# KiCad board SONATA-ONE.kicad_pcb (continued)
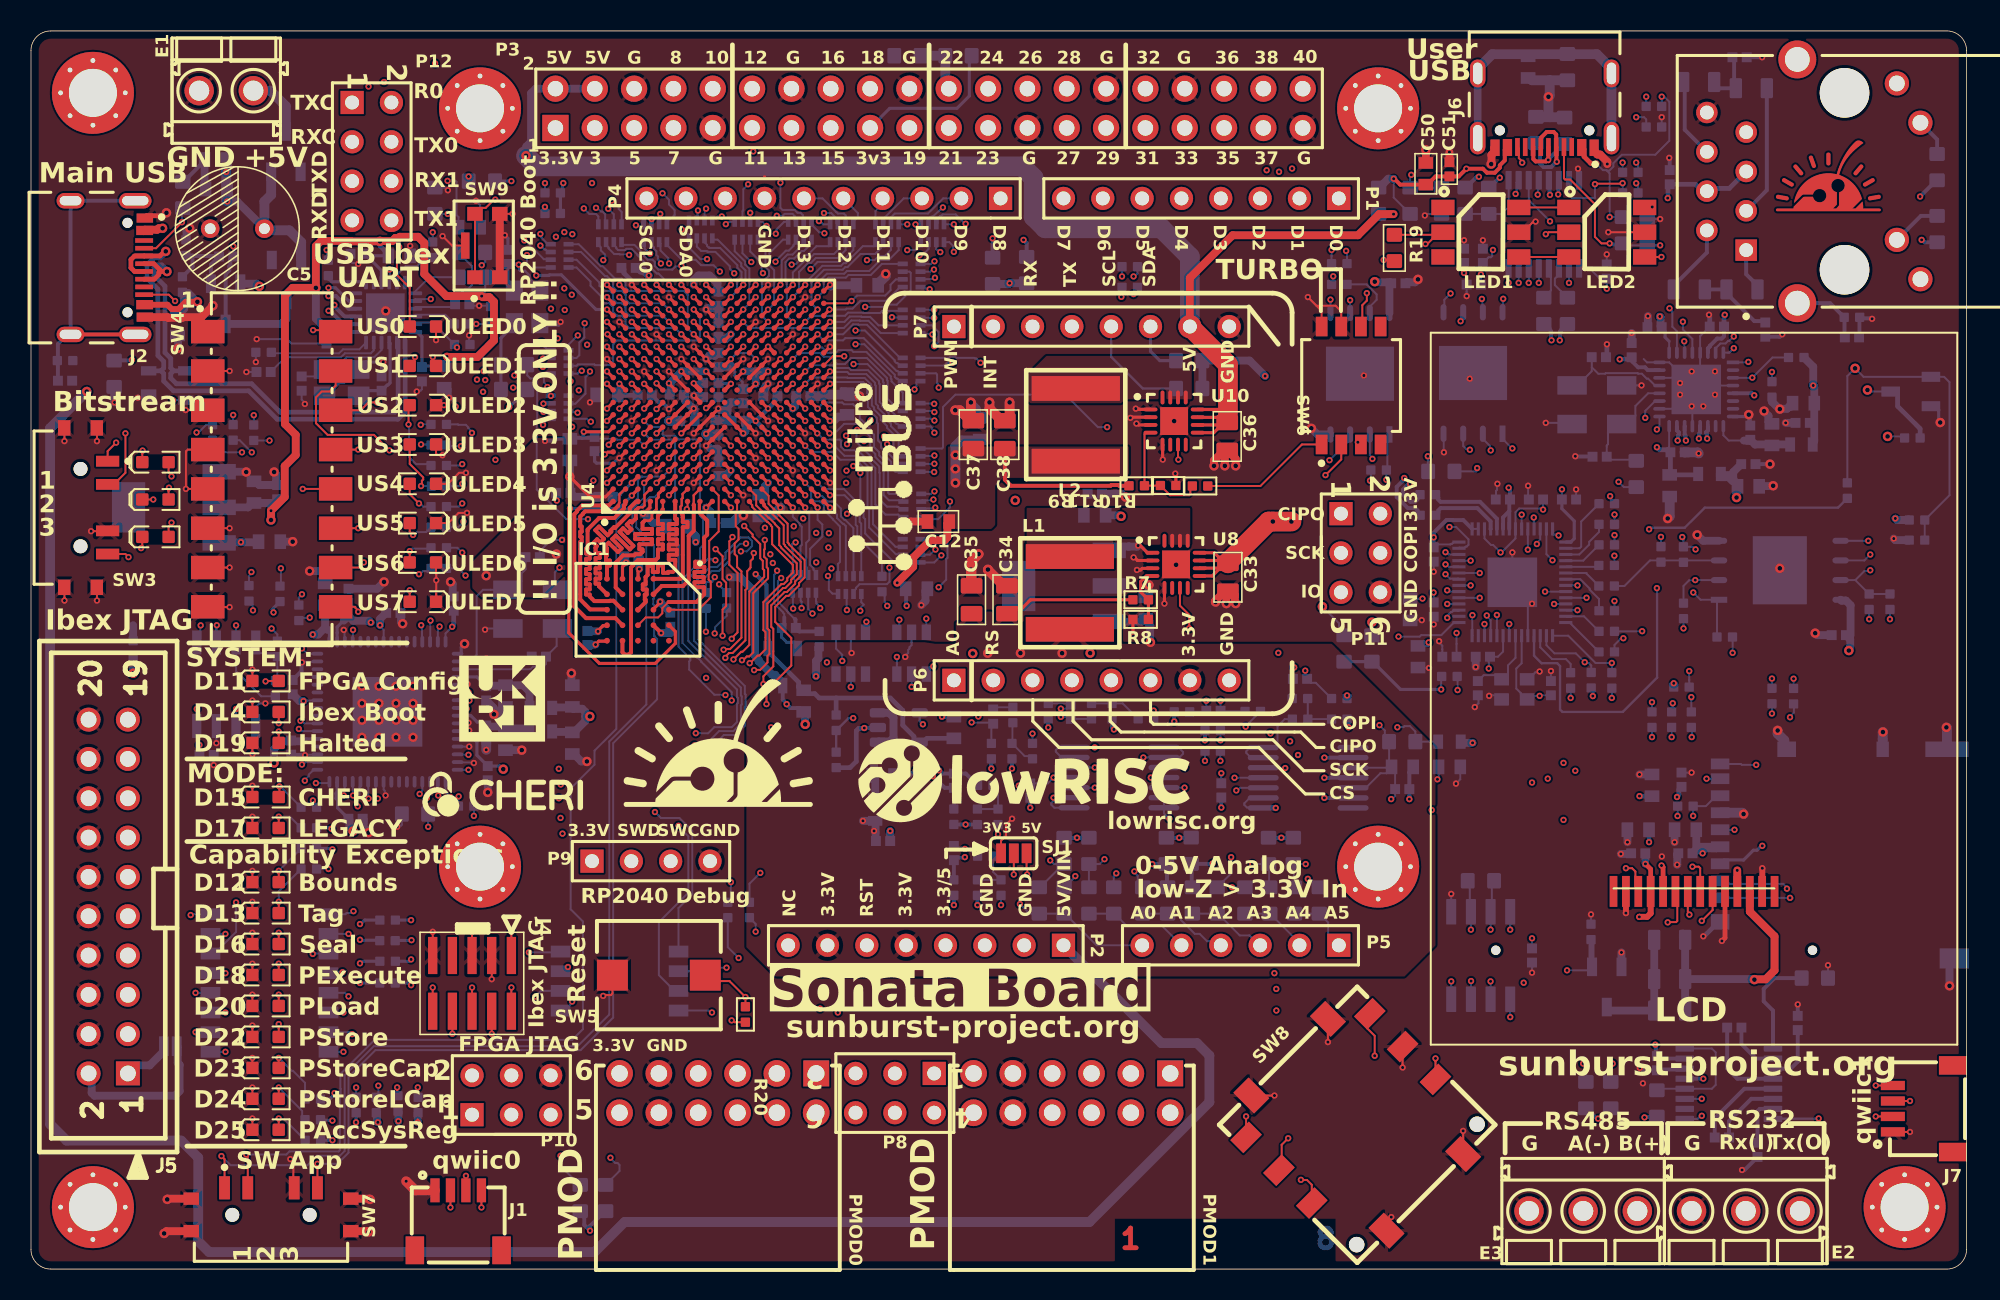
[diagram p0: board, top side]
## Placement (name value [footprint] x y rotation side) (continued)
R171  22R  [RESC1005X40N]  54.96 44.26 270 bottom
R172  33R  [741C083]  34.72 56.44 270 bottom
R173  33R  [741C083]  34.72 59.37 270 bottom
R174  33R  [741C083]  34.72 66.22 270 bottom
R175  33R  [741C083]  44 66.6 180 bottom
R176  33R  [741C083]  41.07 66.35 180 bottom
R177  33R  [741C083]  46.95 66.52 180 bottom
R178  33R  [741C083]  49.19 44.85 0 bottom
R179  33R  [741C083]  56.3 63.45 90 bottom
R180  33R  [741C083]  52.12 44.77 0 bottom
R181  33R  [741C083]  56.3 57.38 90 bottom
R182  33R  [741C083]  50.4 66.52 180 bottom
R183  33R  [741C083]  56.3 60.48 90 bottom
R184  33R  [741C083]  56.3 45.66 90 bottom
R185  33R  [741C083]  56.3 51.52 90 bottom
R186  22R  [RESC1005X40N]  45 23.2 270 bottom
R187  22R  [RESC1005X40N]  46.4 23.2 270 bottom
R188  33R  [741C083]  56.3 54.45 90 bottom
R189  33R  [741C083]  58.96 66.35 180 bottom
R190  33R  [741C083]  56.04 66.35 180 bottom
R191  33R  [741C083]  53.11 66.35 180 bottom
R192  1k  [RESC1005X40N]  121.5 53.7 0 bottom
R193  DNM  [RESC1005X40N]  121.8 48.4 0 bottom
R194  33R  [741C083]  38.14 66.35 180 bottom
R195  0R  [RESC1005X40N]  50.9 40.7 90 bottom
R196  49R9  [RESC2012X70N]  110.5 63.3 0 bottom
R197  49R9  [RESC2012X70N]  107.1 63.3 180 bottom
R198  49R9  [RESC2012X70N]  111.1 76.3 0 bottom
R199  10k  [RESC1005X40N]  15.91 40.07 270 bottom
R200  1k  [RESC1005X40N]  11.73 54.06 90 bottom
R201  1k  [RESC1005X40N]  13.06 54.06 90 bottom
R202  1k  [RESC1005X40N]  14.39 54.04 90 bottom
R203  DNM  [RESC1005X40N]  6.6 40.1 90 bottom
R204  49R9  [RESC2012X70N]  107.7 76.7 180 bottom
R205  10k  [RESC1005X40N]  121.8 47.1 180 bottom
R206  1k8  [RESC1608X55N]  62.1 64.5 270 bottom
R207  1k8  [RESC1608X55N]  64.3 64.55 270 bottom
R208  DNM RCHIP  [RESC1608X55N]  74.8 56.9 180 bottom
R209  DNM RCHIP  [RESC1608X55N]  74.8 58.7 180 bottom
R210  1k  [RESC1005X40N]  117.3 50.3 270 bottom
R211  10k  [RESC1005X40N]  114 58.9 180 bottom
R212  12k  [RESC1608X55N]  59.9 78.4 0 bottom
R213  DNM RCHIP  [RESC1608X55N]  56.6 78.4 0 bottom
REF**  -  [CE-Logo_8.5x6mm_SilkScreen]  67.9 54.7 180 bottom
REF**#2  -  [WEEE-Logo_4.2x6mm_SilkScreen]  96.6 12.2 180 bottom
SD1  DM3AT-SF-PEJM5  [FP-DM3AT-SF-PEJM5-MFG]  117.06 26.76 270 bottom
SJ1  NC  [SJ_3S_NC12]  63.47 26.86 0 top
SJ2  NO  [SJ_2S_NO]  9 14.4 0 bottom
SW1  218-4LPSTR  [FP-218-4LPSTR-MFG]  38.01 18.61 180 bottom
SW2  218-8LPST  [FP-218-8LPST-MFG]  15.4 18.48 180 bottom
SW3  CUS-13TB  [FP-CUS-13TB-MFG]  2.45 49.2 270 top
SW4  1-1825058-9  [FP-1-1825058-9-MFG]  15.55 51.68 0 top
SW5  EVP-ASDC1A  [EVPAS]  40.55 18.99 0 top
SW6  218-4LPSTR  [FP-218-4LPSTR-MFG]  85.25 57.09 90 top
SW7  CUS-13TB  [FP-CUS-13TB-MFG]  15.5 2.75 0 top
SW8  -  [2425755-1]  85.65 9.32 45 top
SW9  KMR211GLFS  [FP-KMR211GLFS-MFG]  29.48 66.13 90 top
U1  PRTR5V0U2AX  [SOT143B]  8.8 57.09 0 bottom
U2  LD1117S33  [SOT-223]  9.23 49.22 180 bottom
U3  ISL83485IBZ-T  [SOIC8_NARROW]  93.63 20.26 90 bottom
U4  XC7A35T-1CSG324C  [CSG324]  44.4 56.4 90 top
U5  FT4232HQ-Tray  [QFN64_2_N]  23.02 36.01 180 bottom
U6  KSZ8851SNLI-TR  [FP-QFN55-32LD-PL-5-IPC_C]  107.54 56.84 180 bottom
U7  MAX3221IPWR  [PW0016A_L]  109.65 11.97 180 bottom
U8  RT8058  [QFN16_50P300X300X100_HS-17M]  73.95 45.53 0 top
U9  LD1117S18  [SOT-223]  66.71 44.14 180 bottom
U10  RT8058  [QFN16_50P300X300X100_HS-17M]  73.83 54.79 0 top
U11  SC0914_7_  [QFN40P700X700X90-57N-D]  95.67 44.37 180 bottom
U12  USB2422-I/MJ  [HVQFN-24-1EP_4x4mm_P0.5mm_EP2.5x2.5mm]  22.89 61.8 0 bottom
U13  TUSB1106PWR  [PW0016A_L]  97.7 67.5 270 bottom
U14  REF3012AIDBZT  [SOT95P237X112-3N]  48.55 38.9 270 bottom
U15  Linear Voltage Regulator IC  1 Output  300mA TSOT-5  [SOT23-5P95_285X145L45X40]  56.04 34.99 90 bottom
U16  AT93C46DN-SH-T  [FP-C04-057-SN-MFG]  12.61 37.79 270 bottom
U17  W25Q256JVEIQ  [WSON68_Micron]  112.94 45.15 0 bottom
U18  W25Q64JVZEIQ  [WSON68_Micron]  93.13 57.9 90 bottom
U19  W25Q256JVEIQ  [WSON68_Micron]  85.83 57.85 90 bottom
U20  ~  [TSSOP-ST14_M]  70.27 31.76 0 bottom
U21  ~  [TSSOP-ST14_M]  82.48 31.74 0 bottom
U22  TVS 824013  [SOT95P280X145-6N]  56.87 39.79 90 bottom
U23  TVS 824013  [SOT95P280X145-6N]  52.94 39.79 90 bottom
X1  ABM8G-24.000MHZ-4Y-T3  [ABM8G]  21.16 56.43 180 bottom
X2  ABM10AIG-12.000MHZ-4Z-T3  [2.5x2mm XTAL]  95.8 37.46 180 bottom
Y1  H130B-12.000-16-2525-EXT-TR  [5x3.2MM XTAL]  32.4 42.64 0 bottom
Y2  ASE-25.000MHZ-LC-T  [FP-ASE-MFG]  32.04 62.17 270 bottom
Y3  H130B-12.000-16-2525-EXT-TR  [5x3.2MM XTAL]  101.13 55.85 180 bottom

## Library data of the parts
C1-C3 C11-C13 C19 C20 C28-C30 C32 C39 C41 C110 C111 C121 = -: Description: 100n, 0402; PART NUMBER: CCHIP-2u2-0603; COMPONENT GROUP: Capacitor; MANUFACTURE PART NUMBER 1: CL10B225KP8NNNC; PIN COUNT: 2; SUPPLIER 1: Digi-Key; SUPPLIER PART NUMBER 1: 1276-1134-2-ND; CASE-EIA: 0603; CASE-METRIC: 1608; RATED VOLTAGE: 10VDC; MOUNTING TECHNOLOGY: SMT; COMPONENT KIND: Standard; COMPONENT TYPE: Standard; MANUFACTURE 1: Samsung; ki_fp_filters: *CAPC0402_M*
C4 C6-C10 C14-C18 C21-C27 C31 C40 C43 C44 C46 C48 C49 C51 C53-C56 C60-C68 C71 C74 C75 C83-C91 C94 C102 C112 C114 C116-C120 C122 C127-C140 C142 = -: Description: 100n, 0402; PART NUMBER: CCHIP-100n-0402; COMPONENT GROUP: Capacitor; PIN COUNT: 2; CASE-EIA: 0402; MOUNTING TECHNOLOGY: SMT; COMPONENT KIND: Standard; COMPONENT TYPE: Standard; MANUFACTURE PART NUMBER 1: CGA2B3X7R1V104K050BB; SUPPLIER 1: Digi-Key; SUPPLIER PART NUMBER 1: 445-6901-1-ND; ki_fp_filters: *CAPC0402_M*
C5 = -: Description: Aluminum electrolytic 680uF, 8x16mm, radial; PART NUMBER: Cap_16v_680uF; COMPONENT GROUP: Capacitor; PIN COUNT: 2; MOUNTING TECHNOLOGY: Through-hole; COMPONENT KIND: Standard; COMPONENT TYPE: Standard; PP MATERIAL STACK: 0; PP ROTATION: 0; ki_fp_filters: *Cap_16v_680uF*
C33-C38 = -: Description: 100n, 0402; PART NUMBER: CCHIP-22u-0805-16V; COMPONENT GROUP: Capacitor; MANUFACTURE 1: Samsung Electro-Mechanics; MANUFACTURE PART NUMBER 1: CL21A226MOCLRNC; PIN COUNT: 2; SUPPLIER 1: Digi-Key; SUPPLIER PART NUMBER 1: 1276-6780-1-ND; CASE-EIA: 0805; CASE-METRIC: 1608; RATED VOLTAGE: 16VDC; TOLERANCE: 20%; MOUNTING TECHNOLOGY: SMT; ROHS: Yes; COMPONENT KIND: Standard; COMPONENT TYPE: Standard; ki_fp_filters: *CAPC0402_M*
C42 C45 C47 C57 C81 C82 = -: Description: 100n, 0402; PART NUMBER: CCHIP-1u-0603; COMPONENT GROUP: Capacitor; MANUFACTURE PART NUMBER 1: CL10A105KB8NNNC; PIN COUNT: 2; SUPPLIER 1: Digi-Key; SUPPLIER PART NUMBER 1: 1276-1860-1-ND; CASE-EIA: 0603; CASE-METRIC: 1608; RATED VOLTAGE: 50VDC; MOUNTING TECHNOLOGY: SMT; COMPONENT KIND: Standard; COMPONENT TYPE: Standard; ki_fp_filters: *CAPC0402_M*
C50 C69 C70 C72 C73 C76 C100 C101 C123-C126 = -: Description: 100n, 0402; PART NUMBER: CCHIP-2u2-0603; COMPONENT GROUP: Capacitor; MANUFACTURE PART NUMBER 1: CL10B225KP8NNNC; PIN COUNT: 2; SUPPLIER 1: Digi-Key; SUPPLIER PART NUMBER 1: 1276-1134-1-ND; CASE-EIA: 0603; CASE-METRIC: 1608; RATED VOLTAGE: 10VDC; MOUNTING TECHNOLOGY: SMT; COMPONENT KIND: Standard; COMPONENT TYPE: Standard; MANUFACTURE 1: Samsung; ki_fp_filters: *CAPC0402_M*
C52 = -: Description: 100n, 0603; PART NUMBER: CCHIP-100n-0603; COMPONENT GROUP: Capacitor; MANUFACTURE PART NUMBER 1: C0603C104K5RACTU; PIN COUNT: 2; SUPPLIER 1: Digi-Key; SUPPLIER PART NUMBER 1: 399-5089-2-ND; CASE-EIA: 0603; CASE-METRIC: 1608; RATED VOLTAGE: 50VDC; MOUNTING TECHNOLOGY: SMT; COMPONENT KIND: Standard; COMPONENT TYPE: Standard; MANUFACTURE 1: Kemet; ki_fp_filters: *CAPC0603_M*
C58 = -: Description: 100n, 0402; PART NUMBER: CCHIP-2u2-0603-25V; COMPONENT GROUP: Capacitor; MANUFACTURE PART NUMBER 1: GRM188R61E225MA12D; PIN COUNT: 2; SUPPLIER 1: Digi-Key; SUPPLIER PART NUMBER 1: 490-12738-1-ND; CASE-EIA: 0603; CASE-METRIC: 1608; RATED VOLTAGE: 25VDC; MOUNTING TECHNOLOGY: SMT; COMPONENT KIND: Standard; COMPONENT TYPE: Standard; MANUFACTURE 1: Murata Electronics North America; TOLERANCE: ±20%; ROHS: Yes; ki_fp_filters: *CAPC0402_M*
C59 = -: Description: 100n, 0402; PART NUMBER: CCHIP-470n-0603-50V; COMPONENT GROUP: Capacitor; MANUFACTURE PART NUMBER 1: UMK107B7474KA-TR; PIN COUNT: 2; SUPPLIER 1: Digi-Key; SUPPLIER PART NUMBER 1: 587-3170-1-ND; CASE-EIA: 0603; CASE-METRIC: 1608; RATED VOLTAGE: 50VDC; MOUNTING TECHNOLOGY: SMT; COMPONENT KIND: Standard; COMPONENT TYPE: Standard; MANUFACTURE 1: Taiyo Yuden; ROHS: Yes; TEMPERATURE RANGE: -55C to 125C; ki_fp_filters: *CAPC0402_M*
C77 C78 C92 C93 C95 C96 C108 C109 = -: Description: 100n, 0402; PART NUMBER: CCHIP-18p-0402; COMPONENT GROUP: Capacitor; PIN COUNT: 2; CASE-EIA: 0402; MOUNTING TECHNOLOGY: SMT; COMPONENT KIND: Standard; COMPONENT TYPE: Standard; MANUFACTURE PART NUMBER 1: GRM1555C1H180JA01D; SUPPLIER 1: Digi-Key; SUPPLIER PART NUMBER 1: 490-5858-1-ND; ki_fp_filters: *CAPC0402_M*
C79 C80 C97 C99 C141 = -: Description: 100n, 0603; PART NUMBER: CCHIP-100n-0402; COMPONENT GROUP: Capacitor; PIN COUNT: 2; CASE-EIA: 0402; MOUNTING TECHNOLOGY: SMT; COMPONENT KIND: Standard; COMPONENT TYPE: Standard; MANUFACTURE PART NUMBER 1: CGA2B3X7R1V104K050BB; SUPPLIER 1: Digi-Key; SUPPLIER PART NUMBER 1: 445-6901-1-ND; ki_fp_filters: *CAPC0603_M*
C98 C103-C107 = -: Description: 100n, 0402; PART NUMBER: CCHIP-24p-0402; COMPONENT GROUP: Capacitor; PIN COUNT: 2; CASE-EIA: 0402; MOUNTING TECHNOLOGY: SMT; COMPONENT KIND: Standard; COMPONENT TYPE: Standard; MANUFACTURE 1: Murata Electronics; MANUFACTURE PART NUMBER 1: GCM1555C1H240FA16D; SUPPLIER 1: Digi-Key; SUPPLIER PART NUMBER 1: 490-GCM1555C1H240FA16DTR-ND; CASE-METRIC: 1005; RATED VOLTAGE: 50V; ROHS: Yes; ki_fp_filters: *CAPC0402_M*
C113 C115 = -: Description: 100n, 0402; PART NUMBER: CCHIP-2u2-0603-16V; COMPONENT GROUP: Capacitor; MANUFACTURE PART NUMBER 1: EMK107BJ225KA-T; PIN COUNT: 2; SUPPLIER 1: Digi-Key; SUPPLIER PART NUMBER 1: 587-1430-1-ND; CASE-EIA: 0603; CASE-METRIC: 1608; RATED VOLTAGE: 16VDC; MOUNTING TECHNOLOGY: SMT; COMPONENT KIND: Standard; COMPONENT TYPE: Standard; MANUFACTURE 1: Taiyo Yuden; ki_fp_filters: *CAPC0402_M*
D3 D6 = -: Description: Chip LED, Blue; PART NUMBER: LEDCHIP_0603_BLUE; COMPONENT GROUP: Optical; MANUFACTURE 1: Kingbright; MANUFACTURE PART NUMBER 1: APT1608QBC/D; PIN COUNT: 2; SUPPLIER 1: Digi-Key; SUPPLIER PART NUMBER 1: 754-1434-1-ND; MOUNTING TECHNOLOGY: SMT; COMPONENT KIND: Standard; COMPONENT TYPE: Standard; ki_fp_filters: *LED-0603-BLUE*
D4 D7 D9 D11 D14 D15 D26-D28 = -: Description: Chip LED, Green; PART NUMBER: LEDCHIP_0603_GREEN; COMPONENT GROUP: Optical; MANUFACTURE 1: Kingbright; MANUFACTURE PART NUMBER 1: APT1608CGCK; PIN COUNT: 2; SUPPLIER 1: Digi-Key; SUPPLIER PART NUMBER 1: 754-1116-1-ND; MOUNTING TECHNOLOGY: SMT; COMPONENT KIND: Standard; COMPONENT TYPE: Standard; PP MATERIAL STACK: 16; PP ROTATION: -90; ki_fp_filters: *LED-0603-GREEN*
D5 D8 D10 D12 D13 D16-D20 D22-D25 = -: Description: Chip LED, Red; PART NUMBER: LEDCHIP_0603_RED; COMPONENT GROUP: Optical; MANUFACTURE 1: Kingbright; MANUFACTURE PART NUMBER 1: APT1608SURCK; PIN COUNT: 2; SUPPLIER 1: Digi-Key; SUPPLIER PART NUMBER 1: 754-1123-1-ND; MOUNTING TECHNOLOGY: SMT; COMPONENT KIND: Standard; COMPONENT TYPE: Standard; PP MATERIAL STACK: 15; PP ROTATION: -90; ki_fp_filters: *LED-0603-RED*
E1 = -: Description: OMNIMATE Signal - series PS; COLOUR: Orange; MOUNTING_ONTO_THE_PCB: Solder connection; RATED_VOLTAGE_FOR_SURGE_VOLTAGE_CLASS_POLLUTION_DEGREE_II_2: 320 V; UL_94_FLAMMABILITY_RATING: V-0; WIRE_CROSS_SECTION_AWG_MAX_UL_1059: AWG 16; COMPONENTLINK2DESCRIPTION: URL Link1; PACKAGEREFERENCE: PS_3_5_90_02; SOLID_MAX_H05_07_V_U: 1,5 mm²; CONTACT_SURFACE: tinned; SOLDER_PIN_LENGTH_MM: 3,5 mm; MANUFACTURER: Weidmueller; SOLID_MIN_H05_07_V_U: 0,2 mm²; SIDE_TERMINATION_CHARACTERISTIC: closed side; RATED_CURRENT_USE_GROUP_B_UL_1059: 10 A; SHORT_TEXT_FOR_MATERIAL: PS 3.50/02/90 3.5SN OR BX; RATED_VOLTAGE_USE_GROUP_B_UL_1059: 300 V; PITCH_INCH: 0,138 inch; WIRE_CROSS_SECTION_AWG_MIN_UL_1059: AWG 28; COMPONENTLINK1URL: http://www.weidmueller.com/; CONTACT_MATERIAL: Cu-Leg; COMPONENTLINK2URL: http://catalog.weidmueller.com/catalog/Start.do?localeId=en&ObjectID=1912320000; REVISION: V1; NO_OF_POLES: 2; PITCH_MM: 3,5 mm; QTY: 100 PCS; COMPONENTLINK1DESCRIPTION: Manufacturer URL; PACKAGING: Box; INSULATING_MATERIAL: Wemid (PA); ki_fp_filters: *PS_3_5_90_02*
E2 E3 = -: Description: OMNIMATE Signal - series PS; NO_OF_POLES: 3; SIDE_TERMINATION_CHARACTERISTIC: closed side; PITCH_INCH: 0,138 inch; SHORT_TEXT_FOR_MATERIAL: PS 3.50/03/90 3.5SN OR BX; REVISION: V1; COMPONENTLINK2DESCRIPTION: URL Link1; WIRE_CROSS_SECTION_AWG_MAX_UL_1059: AWG 16; RATED_VOLTAGE_USE_GROUP_B_UL_1059: 300 V; SOLID_MIN_H05_07_V_U: 0,2 mm²; PACKAGING: Box; QTY: 100 PCS; CONTACT_SURFACE: tinned; COMPONENTLINK2URL: http://catalog.weidmueller.com/catalog/Start.do?localeId=en&ObjectID=1912330000; PACKAGEREFERENCE: PS_3_5_90_03; UL_94_FLAMMABILITY_RATING: V-0; PITCH_MM: 3,5 mm; CONTACT_MATERIAL: Cu-Leg; RATED_CURRENT_USE_GROUP_B_UL_1059: 10 A; COMPONENTLINK1DESCRIPTION: Manufacturer URL; COMPONENTLINK1URL: http://www.weidmueller.com/; SOLDER_PIN_LENGTH_MM: 3,5 mm; SOLID_MAX_H05_07_V_U: 1,5 mm²; MOUNTING_ONTO_THE_PCB: Solder connection; RATED_VOLTAGE_FOR_SURGE_VOLTAGE_CLASS_POLLUTION_DEGREE_II_2: 320 V; INSULATING_MATERIAL: Wemid (PA); MANUFACTURER: Weidmueller; COLOUR: Orange; WIRE_CROSS_SECTION_AWG_MIN_UL_1059: AWG 28; ki_fp_filters: *PS_3_5_90_03*
IC1 = -: Description: Integrated Circuit; DATASHEET LINK: https://www.winbond.com/hq/search-resource-file.jsp?partNo=W956D8MBYA5I&type=datasheet; HEIGHT: 1.2mm; MANUFACTURER_NAME: Winbond; MOUSER PART NUMBER: 454-W956D8MBYA5I; MOUSER PRICE/STOCK: https://www.mouser.co.uk/ProductDetail/Winbond/W956D8MBYA5I?qs=YwPsRIUVAOcvNB%2FM4WBgTQ%3D%3D; ki_fp_filters: *BGA24C100P5X5_600X800X120*
J1 J7 = -: Description: Connector; DATASHEET LINK: http://www.jst-mfg.com/product/pdf/eng/eSH.pdf; MANUFACTURER_NAME: JST (JAPAN SOLDERLESS TERMINALS); MANUFACTURER_PART_NUMBER: SM04B-SRSS-TB(LF)(SN); ARROW PART NUMBER: SM04B-SRSS-TB(LF)(SN); ARROW PRICE/STOCK: https://www.arrow.com/en/products/sm04b-srss-tb-lf-sn/jst-manufacturing?region=europe; ki_fp_filters: *SM04B-SRSS-TB(LFSN)*
J2 J6 = -: Description: CONN RCPT USB2.0 TYPEC 5A; DEVICE CLASS L1: Connectors; CATEGORY: Conn; LEAD FREE: Yes; ROHS: TRUE; TEMPERATURE RANGE HIGH: +85°C; DIGIKEY DESCRIPTION: CONN RCPT USB2.0 TYPEC 5A; DEVICE CLASS L3: unset; VOLTAGE RATING: 20V; COMPONENTLINK2DESCRIPTION: Datasheet; IS FEMALE: yes; PACKAGE: 0; USB STANDARD: USB 2.0; DEVICE CLASS L2: USB Connectors; AUTOMOTIVE: No; TEMPERATURE RANGE LOW: -40°C; CURRENT RATING: 5/6.25/1.25/0.25A; HEIGHT: 3.46mm; TEMPERATURE: -40°C to +85°C; NUMBER OF CONTACTS: 16; MANUFACTURER: GCT; CONTACT MATERIAL: Gold,Nickel; COMPONENTLINK2URL: https://gct.co/files/drawings/usb4105.pdf; CONN ORIENTATION: Right Angle; OCTOPART: https://octopart.com/usb4105-gf-a-gct-106627878; ki_fp_filters: *FP-USB4105-GF-A-MFG*
J3 = -: Description: CONN JACK 1PORT 100 BASE-TX PCB; DEPTH: 21.59mm; RADIATION HARDENING: No; CONTACT MATERIAL: Bronze; NUMBER OF CORES PER JACK: 4; CONTACT PLATING: Gold; GENDER: Female; CONNECTOR TYPE: RJ45; NUMBER OF POSITIONS LOADED: 8; MOUNT: Through Hole; MAX OPERATING TEMPERATURE: 70°C; PACKAGING: Rail/Tube; CURRENT RATING: 8mA; PITCH: 2.54mm; SHIELDING: Shielded; DIRECTION: Down; COLOR: Green; NUMBER OF CONTACTS: 8; LEAD FREE: Lead Free; SERIES: STARJACK™ J00; PACKAGE QUANTITY: 30; LENGTH: 16.26mm; NUMBER OF PORTS: 1; NUMBER OF ROWS: 1; MIN OPERATING TEMPERATURE: 0°C; TERMINATION: Solder; ORIENTATION: Right Angle; HOUSING MATERIAL: Thermoplastic; ki_fp_filters: *FP-J00-0045NL-MFG*
J4 = -: Description: 10 Pin Cortex Program & Debug 0.5mm pitch; PART NUMBER: Cortex_Debug_Header_10Pin; COMPONENT GROUP: Connector; MANUFACTURE PART NUMBER 1: 20021121-00010C4LF; PIN COUNT: 10; SUPPLIER 1: Digi-Key; SUPPLIER PART NUMBER 1: 609-3695-1-ND; MOUNTING TECHNOLOGY: SMT; ROHS: Yes; COMPONENT KIND: Standard; COMPONENT TYPE: Standard; PP MATERIAL STACK: 0; PP ROTATION: 0; ki_fp_filters: *0.5mm_SMD_Header_5x2*
J5 = -: Description: Header, 2-Row, 20-pin, 0.1"; PART NUMBER: CONN20_2ROW; COMPONENT GROUP: Connector; PIN COUNT: 20; MOUNTING TECHNOLOGY: SMT; COMPONENT KIND: Standard; COMPONENT TYPE: Standard; ki_fp_filters: *CONN_10x2_SHROUDED_2.54mm*
L1 L2 = -: Description: fixed ind, ferrite, shielded; PART NUMBER: NR6028T4R7M; COMPONENT GROUP: Inductor; MANUFACTURE 1: Taiyo Yuden; MANUFACTURE PART NUMBER 1: NR6028T4R7M; PIN COUNT: 2; SUPPLIER 1: Digi-Key; SUPPLIER PART NUMBER 1: 587-2100-1-ND; CASE-METRIC: 6060; MOUNTING TECHNOLOGY: SMT; COMPONENT KIND: Standard; COMPONENT TYPE: Standard; ki_fp_filters: *NR6028*
L3 = -: Description: fixed ind, ferrite, shielded; PART NUMBER: FBCHIP-600R-0603; COMPONENT GROUP: Inductor; MANUFACTURE 1: Murata Electronics; MANUFACTURE PART NUMBER 1: BLM18AG601SN1D; PIN COUNT: 2; SUPPLIER 1: Digi-Key; SUPPLIER PART NUMBER 1: 490-1014-2-ND; MOUNTING TECHNOLOGY: SMT; ROHS: Yes; COMPONENT KIND: Standard; COMPONENT TYPE: Standard; PP MATERIAL STACK: 0; PP ROTATION: 0; ALTIUM_VALUE: 600R/0.5A; CASE-EIA: 0603; CASE-METRIC: 1608; RATED POWER: 0.5A; ki_fp_filters: *NR6028*
L5-L9 = -: Description: fixed ind, ferrite, shielded; PART NUMBER: FBCHIP-1k-0603; COMPONENT GROUP: Inductor; MANUFACTURE 1: Taiyo Yuden; MANUFACTURE PART NUMBER 1: FBMH1608HM102-T / FBMH1608HM102-T / FBMH1608HM102-T / FBMH1608HM102-T; PIN COUNT: 2; SUPPLIER 1: Mouser; SUPPLIER PART NUMBER 1: 963-FBMH1608HM102-T; MOUNTING TECHNOLOGY: SMT; ROHS: Yes; COMPONENT KIND: Standard; COMPONENT TYPE: Standard; PP MATERIAL STACK: 0; PP ROTATION: 0; ki_fp_filters: *NR6028*
LCD1 = -: PART NUMBER: LCD1.8INCH_ADAFRUIT618; COMPONENT GROUP: Optical; PIN COUNT: 14; COMPONENT KIND: Standard; COMPONENT TYPE: Standard; PP MATERIAL STACK: 0; PP ROTATION: 0; PP ROTATION1: 0; ki_fp_filters: *ADAFRUIT618*
LED1 LED2 = -: Description: WS2813B, 5x5 SMD Neopixel; PART NUMBER: WS2813B_5x5; COMPONENT GROUP: Optical; MANUFACTURE 1: Seeed Studio; MANUFACTURE PART NUMBER 1: 601000200; PIN COUNT: 6; COMPONENT KIND: Standard; COMPONENT TYPE: Standard; PP MATERIAL STACK: 0; PP ROTATION: 0; PP ROTATION1: 0; ki_fp_filters: *WS2813B_5x5*
MH1-MH7 = -: Description: Machine screw M3 Mounting Hole; PART NUMBER: MOUNT_M3_TIGHT; COMPONENT GROUP: Mechanical; PIN COUNT: 1; COMPONENT KIND: Mechanical; COMPONENT TYPE: Mechanical; PP MATERIAL STACK: 0; PP ROTATION: 0; ki_fp_filters: *MOUNT_M3_TIGHT*
P1 P2 P6 P7 = -: Description: Header, 8-Pin; LATESTREVISIONDATE: 17-Jul-2002; LATESTREVISIONNOTE: Re-released for DXP Platform.; PUBLISHER: Altium Limited; ki_fp_filters: *HDR1X8_SLW-108-01-T-S*
P3 = -: Description: Header, 20-Pin, Dual row; LATESTREVISIONDATE: 17-Jul-2002; LATESTREVISIONNOTE: Re-released for DXP Platform.; PUBLISHER: Altium Limited; ki_fp_filters: *HDR2X20_861400402YO2LF*
P4 = -: Description: Header, 10-Pin; LATESTREVISIONDATE: 17-Jul-2002; LATESTREVISIONNOTE: Re-released for DXP Platform.; PUBLISHER: Altium Limited; ki_fp_filters: *HDR1X10_SLW-110-01-T-S*
P5 = -: Description: Header, 6-Pin; LATESTREVISIONDATE: 17-Jul-2002; LATESTREVISIONNOTE: Re-released for DXP Platform.; PUBLISHER: Altium Limited; ki_fp_filters: *HDR1X6_SLW-106-01-T-S*
P8 = -: Description: Header, 3-Pin, Dual row; LATESTREVISIONDATE: 17-Jul-2002; LATESTREVISIONNOTE: Re-released for DXP Platform.; PUBLISHER: Altium Limited; ki_fp_filters: *HDR2X3_CEN*
P9 = -: Description: Header, 4-Pin; LATESTREVISIONDATE: 17-Jul-2002; LATESTREVISIONNOTE: Re-released for DXP Platform.; PUBLISHER: Altium Limited; ki_fp_filters: *HDR1X4*
P10 P11 = -: Description: Header, 3-Pin, Dual row; LATESTREVISIONDATE: 17-Jul-2002; LATESTREVISIONNOTE: Re-released for DXP Platform.; PUBLISHER: Altium Limited; ki_fp_filters: *HDR2X3*
P12 = -: Description: Header, 4-Pin, Dual row; LATESTREVISIONDATE: 17-Jul-2002; LATESTREVISIONNOTE: Re-released for DXP Platform.; PUBLISHER: Altium Limited; ki_fp_filters: *HDR2X4_XG8T-0841*
PMOD0 PMOD1 = -: PART NUMBER: PMOD_2ROW_FEMALERATH; COMPONENT GROUP: Connector; PIN COUNT: 12; SUPPLIER 1: Digi-Key; SUPPLIER PART NUMBER 1: SAM1215-06-ND; COMPONENT KIND: Standard; COMPONENT TYPE: Standard; PP MATERIAL STACK: 0; PP ROTATION: 0; PP ROTATION1: 0; ki_fp_filters: *SAMTEC_SSW_106_02_X_D_RA_PMOD*
Q1 Q4 Q5 = -: Description: P-Channel, 3A, Logic Level; COMPONENT GROUP: MOSFET; MANUFACTURE 1: Diodes Inc.; PIN COUNT: 3; SUPPLIER 1: Digi-Key; SUPPLIER PART NUMBER 1: DMP2123LQ-7DICT-ND; MOUNTING TECHNOLOGY: SMT; COMPONENT KIND: Standard; COMPONENT TYPE: Standard; ki_fp_filters: *SOT95P245X110-3M*
Q2 = -: Description: MOSFET N-CH 30V 2.2A SOT23-3; COMPONENT GROUP: MOSFET; MANUFACTURE 1: Diodes Inc.; PIN COUNT: 3; SUPPLIER 1: Digi-Key; SUPPLIER PART NUMBER 1: DMN3200U-7DICT-ND; MOUNTING TECHNOLOGY: SMT; COMPONENT KIND: Standard; COMPONENT TYPE: Standard; RATED POWER: 3A; RATED VOLTAGE: 30V; ROHS: Yes; PP MATERIAL STACK: 0; PP ROTATION: 0; ki_fp_filters: *SOT95P245X110-3M*
Q3 = -: Description: MOSFET N-CH 30V 2.2A SOT23-3; COMPONENT GROUP: MOSFET; PIN COUNT: 3; SUPPLIER 1: Digi-Key; MOUNTING TECHNOLOGY: SMT; COMPONENT KIND: Standard; COMPONENT TYPE: Standard; RATED POWER: 0.22A; RATED VOLTAGE: 30V; ROHS: Yes; PP MATERIAL STACK: 0; PP ROTATION: 0; ki_fp_filters: *SOT95P245X110-3M*
R1 R4 = -: Description: 10k res, 0402, 1%, 1/16W; PART NUMBER: RCHIP-5K1-0603; COMPONENT GROUP: Resistor; MANUFACTURE 1: Yageo; MANUFACTURE PART NUMBER 1: RC0603FR-075K1L; PIN COUNT: 2; SUPPLIER 1: Digi-Key; SUPPLIER PART NUMBER 1: 311-5.10KHRCT-ND; CASE-EIA: 0603; CASE-METRIC: 1608; RATED POWER: 0.1W; RATED VOLTAGE: 75VDC; TOLERANCE: 1%; MOUNTING TECHNOLOGY: SMT; TEMPERATURE RANGE: -55C to 155C; COMPONENT KIND: Standard; COMPONENT TYPE: Standard; ki_fp_filters: *RESC1005X40N*
R2 R10 R12 R13 R118-R121 R135 = -: Description: 10k res, 0402, 1%, 1/16W; PART NUMBER: RCHIP-100K-0402; COMPONENT GROUP: Resistor; MANUFACTURE 1: Yageo; MANUFACTURE PART NUMBER 1: RC0402FR-07100KL; PIN COUNT: 2; SUPPLIER 1: Digi-Key; SUPPLIER PART NUMBER 1: 311-100KLRCT-ND; CASE-EIA: 0402; CASE-METRIC: 1005; RATED POWER: 0.063W; RATED VOLTAGE: 75VDC; TOLERANCE: 1%; MOUNTING TECHNOLOGY: SMT; TEMPERATURE RANGE: -55C to 155C; COMPONENT KIND: Standard; COMPONENT TYPE: Standard; ki_fp_filters: *RESC1005X40N*
R3 R7 R9 R14 R20 R30 R32 R67 R71 R133 R199 R205 R211 = -: Description: 10k res, 0402, 1%, 1/16W; PART NUMBER: RCHIP-10K-0402; COMPONENT GROUP: Resistor; MANUFACTURE 1: Yageo; MANUFACTURE PART NUMBER 1: RC0402FR-0710KL; PIN COUNT: 2; SUPPLIER 1: Digi-Key; SUPPLIER PART NUMBER 1: 311-10.0KLRCT-ND; CASE-EIA: 0402; CASE-METRIC: 1005; RATED POWER: 0.063W; RATED VOLTAGE: 75VDC; TOLERANCE: 1%; MOUNTING TECHNOLOGY: SMT; TEMPERATURE RANGE: -55C to 155C; COMPONENT KIND: Standard; COMPONENT TYPE: Standard; ki_fp_filters: *RESC1005X40N*
R5 R6 R77 R83 R89 R97 R104 R111 R134 = -: Description: 10k res, 0402, 1%, 1/16W; PART NUMBER: RCHIP-1K-0603; COMPONENT GROUP: Resistor; MANUFACTURE 1: Yageo; MANUFACTURE PART NUMBER 1: RC0603FR-071KL; PIN COUNT: 2; SUPPLIER 1: Digi-Key; SUPPLIER PART NUMBER 1: 311-1.00KHRCT-ND; CASE-EIA: 0603; CASE-METRIC: 1608; RATED POWER: 0.1W; RATED VOLTAGE: 75VDC; TOLERANCE: 1%; MOUNTING TECHNOLOGY: SMT; TEMPERATURE RANGE: -55C to 155C; COMPONENT KIND: Standard; COMPONENT TYPE: Standard; ki_fp_filters: *RESC1005X40N*
R8 R44 = -: Description: 10k res, 0402, 1%, 1/16W; PART NUMBER: RCHIP-2K2-0402; COMPONENT GROUP: Resistor; MANUFACTURE 1: Yageo; MANUFACTURE PART NUMBER 1: RC0402FR-072K2L; PIN COUNT: 2; SUPPLIER 1: Digi-Key; SUPPLIER PART NUMBER 1: 311-2.20KLRCT-ND; CASE-EIA: 0402; CASE-METRIC: 1005; RATED POWER: 0.063W; RATED VOLTAGE: 75VDC; TOLERANCE: 1%; MOUNTING TECHNOLOGY: SMT; TEMPERATURE RANGE: -55C to 155C; COMPONENT KIND: Standard; COMPONENT TYPE: Standard; ki_fp_filters: *RESC1005X40N*
R11 = -: Description: 10k res, 0402, 1%, 1/16W; PART NUMBER: RCHIP-15K-0402; COMPONENT GROUP: Resistor; MANUFACTURE 1: Yageo; MANUFACTURE PART NUMBER 1: RC0402FR-0715KL; PIN COUNT: 2; SUPPLIER 1: Digi-Key; SUPPLIER PART NUMBER 1: 311-15.0KLRCT-ND; CASE-EIA: 0402; CASE-METRIC: 1005; RATED POWER: 0.063W; RATED VOLTAGE: 75VDC; TOLERANCE: 1%; MOUNTING TECHNOLOGY: SMT; TEMPERATURE RANGE: -55C to 155C; COMPONENT KIND: Standard; COMPONENT TYPE: Standard; ki_fp_filters: *RESC1005X40N*
R15 R17 R18 R72 = -: Description: Do Not Mount Resistor; PART NUMBER: RCHIP-100K-0603; COMPONENT GROUP: Resistor; MANUFACTURE 1: Yageo; MANUFACTURE PART NUMBER 1: RC0603FR-07100KL; PIN COUNT: 2; SUPPLIER 1: Digi-Key; SUPPLIER PART NUMBER 1: 311-100KHRCT-ND; CASE-EIA: 0603; CASE-METRIC: 1608; RATED POWER: 0.1W; RATED VOLTAGE: 75VDC; TOLERANCE: 1%; MOUNTING TECHNOLOGY: SMT; TEMPERATURE RANGE: -55C to 155C; COMPONENT KIND: Standard; COMPONENT TYPE: Standard; ki_fp_filters: *RESC1608X55N*
R16 = -: Description: Do Not Mount Resistor; PART NUMBER: RCHIP-12K-0402; COMPONENT GROUP: Resistor; MANUFACTURE 1: Yageo; MANUFACTURE PART NUMBER 1: RC0402FR-0712KL; PIN COUNT: 2; SUPPLIER 1: Digi-Key; SUPPLIER PART NUMBER 1: 311-12.0KLRCT-ND; CASE-EIA: 0402; CASE-METRIC: 1005; RATED POWER: 0.063W; RATED VOLTAGE: 75VDC; TOLERANCE: 1%; MOUNTING TECHNOLOGY: SMT; TEMPERATURE RANGE: -55C to 155C; COMPONENT KIND: Standard; COMPONENT TYPE: Standard; ki_fp_filters: *RESC1608X55N*
R19 R122-R124 = -: Description: 10k res, 0402, 1%, 1/16W; PART NUMBER: RCHIP-0R-0603; COMPONENT GROUP: Resistor; MANUFACTURE 1: Yageo; MANUFACTURE PART NUMBER 1: RC0603FR-070RL; PIN COUNT: 2; SUPPLIER 1: Digi-Key; SUPPLIER PART NUMBER 1: 311-0.0HRCT-ND; CASE-EIA: 0603; CASE-METRIC: 1608; RATED POWER: 0.1W; RATED VOLTAGE: 75VDC; TOLERANCE: 1%; MOUNTING TECHNOLOGY: SMT; TEMPERATURE RANGE: -55C to 155C; COMPONENT KIND: Standard; COMPONENT TYPE: Standard; ki_fp_filters: *RESC1005X40N*
R21 R39 R136 R137 = -: Description: 1k res, 0603, 1%, 1/10W; PART NUMBER: RCHIP-1K-0603; COMPONENT GROUP: Resistor; MANUFACTURE 1: Yageo; MANUFACTURE PART NUMBER 1: RC0603FR-071KL; PIN COUNT: 2; SUPPLIER 1: Digi-Key; SUPPLIER PART NUMBER 1: 311-1.00KHRCT-ND; CASE-EIA: 0603; CASE-METRIC: 1608; RATED POWER: 0.1W; RATED VOLTAGE: 75VDC; TOLERANCE: 1%; MOUNTING TECHNOLOGY: SMT; TEMPERATURE RANGE: -55C to 155C; COMPONENT KIND: Standard; COMPONENT TYPE: Standard; ki_fp_filters: *RESC1608X55N*
R22 R24 R26 R28 R34 R208 R209 = -: Description: 10k res, 0402, 1%, 1/16W; PART NUMBER: RCHIP-DNM-0603; COMPONENT GROUP: Resistor; MANUFACTURE 1: Yageo; MANUFACTURE PART NUMBER 1: RC0603FR-071KL; PIN COUNT: 2; SUPPLIER 1: Digi-Key; SUPPLIER PART NUMBER 1: 311-1.00KHRCT-ND; ALTIUM_VALUE: 1k; CASE-EIA: 0603; CASE-METRIC: 1608; RATED POWER: 0.1W; RATED VOLTAGE: 75VDC; TOLERANCE: 1%; MOUNTING TECHNOLOGY: SMT; TEMPERATURE RANGE: -55C to 155C; COMPONENT KIND: Standard; COMPONENT TYPE: Standard; ki_fp_filters: *RESC1005X40N*
R23 = -: Description: 10k res, 0402, 1%, 1/16W; PART NUMBER: RCHIP-47K-0402; COMPONENT GROUP: Resistor; MANUFACTURE 1: Yageo; MANUFACTURE PART NUMBER 1: RC0402FR-0747KL; PIN COUNT: 2; SUPPLIER 1: Digi-Key; SUPPLIER PART NUMBER 1: 311-47.0KLRCT-ND; CASE-EIA: 0402; CASE-METRIC: 1005; RATED POWER: 0.063W; RATED VOLTAGE: 75VDC; TOLERANCE: 1%; MOUNTING TECHNOLOGY: SMT; TEMPERATURE RANGE: -55C to 155C; COMPONENT KIND: Standard; COMPONENT TYPE: Standard; ki_fp_filters: *RESC1005X40N*
R25 = -: Description: 10k res, 0402, 1%, 1/16W; PART NUMBER: RCHIP-22K-0402; COMPONENT GROUP: Resistor; MANUFACTURE 1: Yageo; MANUFACTURE PART NUMBER 1: RC0402FR-0722KL; PIN COUNT: 2; SUPPLIER 1: Digi-Key; SUPPLIER PART NUMBER 1: 311-22.0KLRCT-ND; CASE-EIA: 0402; CASE-METRIC: 1005; RATED POWER: 0.063W; RATED VOLTAGE: 75VDC; TOLERANCE: 1%; MOUNTING TECHNOLOGY: SMT; TEMPERATURE RANGE: -55C to 155C; COMPONENT KIND: Standard; COMPONENT TYPE: Standard; ki_fp_filters: *RESC1005X40N*
R27 R29 = -: Description: 10k res, 0402, 1%, 1/16W; PART NUMBER: RCHIP-33R-0603; COMPONENT GROUP: Resistor; MANUFACTURE 1: Yageo; MANUFACTURE PART NUMBER 1: RC0603FR-0733RL; PIN COUNT: 2; SUPPLIER 1: Digi-Key; SUPPLIER PART NUMBER 1: 311-33.0HRCT-ND; CASE-EIA: 0603; CASE-METRIC: 1608; RATED POWER: 0.1W; RATED VOLTAGE: 75VDC; TOLERANCE: 1%; MOUNTING TECHNOLOGY: SMT; TEMPERATURE RANGE: -55C to 155C; COMPONENT KIND: Standard; COMPONENT TYPE: Standard; ki_fp_filters: *RESC1005X40N*
R31 = -: Description: 10k res, 0402, 1%, 1/16W; PART NUMBER: RCHIP-1K5-0603; COMPONENT GROUP: Resistor; MANUFACTURE 1: Yageo; MANUFACTURE PART NUMBER 1: RC0603FR-071K5L; PIN COUNT: 2; SUPPLIER 1: Digi-Key; SUPPLIER PART NUMBER 1: 311-1.50KHRCT-ND; CASE-EIA: 0603; CASE-METRIC: 1608; RATED POWER: 0.1W; RATED VOLTAGE: 75VDC; TOLERANCE: 1%; MOUNTING TECHNOLOGY: SMT; TEMPERATURE RANGE: -55C to 155C; COMPONENT KIND: Standard; COMPONENT TYPE: Standard; ki_fp_filters: *RESC1005X40N*
R33 R82 = -: Description: 10k res, 0402, 1%, 1/16W; PART NUMBER: RCHIP-10R-0603; COMPONENT GROUP: Resistor; MANUFACTURE 1: Yageo; MANUFACTURE PART NUMBER 1: RC0603FR-0710RL; PIN COUNT: 2; SUPPLIER 1: Digi-Key; SUPPLIER PART NUMBER 1: 311-10.0HRCT-ND; CASE-EIA: 0603; CASE-METRIC: 1608; RATED POWER: 0.1W; RATED VOLTAGE: 75VDC; TOLERANCE: 1%; MOUNTING TECHNOLOGY: SMT; TEMPERATURE RANGE: -55C to 155C; COMPONENT KIND: Standard; COMPONENT TYPE: Standard; ki_fp_filters: *RESC1005X40N*
R35 R36 R41 R213 = -: Description: Do Not Mount Resistor; PART NUMBER: RCHIP-DNM-0603; COMPONENT GROUP: Resistor; MANUFACTURE 1: Yageo; MANUFACTURE PART NUMBER 1: RC0603FR-071KL; PIN COUNT: 2; SUPPLIER 1: Digi-Key; SUPPLIER PART NUMBER 1: 311-1.00KHRCT-ND; ALTIUM_VALUE: 1k; CASE-EIA: 0603; CASE-METRIC: 1608; RATED POWER: 0.1W; RATED VOLTAGE: 75VDC; TOLERANCE: 1%; MOUNTING TECHNOLOGY: SMT; TEMPERATURE RANGE: -55C to 155C; COMPONENT KIND: Standard; COMPONENT TYPE: Standard; ki_fp_filters: *RESC1608X55N*
R37 R129 = -: Description: 10k res, 0402, 1%, 1/16W; PART NUMBER: RCHIP-2K7-0402; COMPONENT GROUP: Resistor; MANUFACTURE 1: Yageo; MANUFACTURE PART NUMBER 1: RC0402FR-072K7L; PIN COUNT: 2; SUPPLIER 1: Digi-Key; SUPPLIER PART NUMBER 1: 311-2.70KLRCT-ND; CASE-EIA: 0402; CASE-METRIC: 1005; RATED POWER: 0.063W; RATED VOLTAGE: 75VDC; TOLERANCE: 1%; MOUNTING TECHNOLOGY: SMT; TEMPERATURE RANGE: -55C to 155C; COMPONENT KIND: Standard; COMPONENT TYPE: Standard; ki_fp_filters: *RESC1005X40N*
